# Altium PCB BMS.PcbDoc (part 1 of 3) (continued)
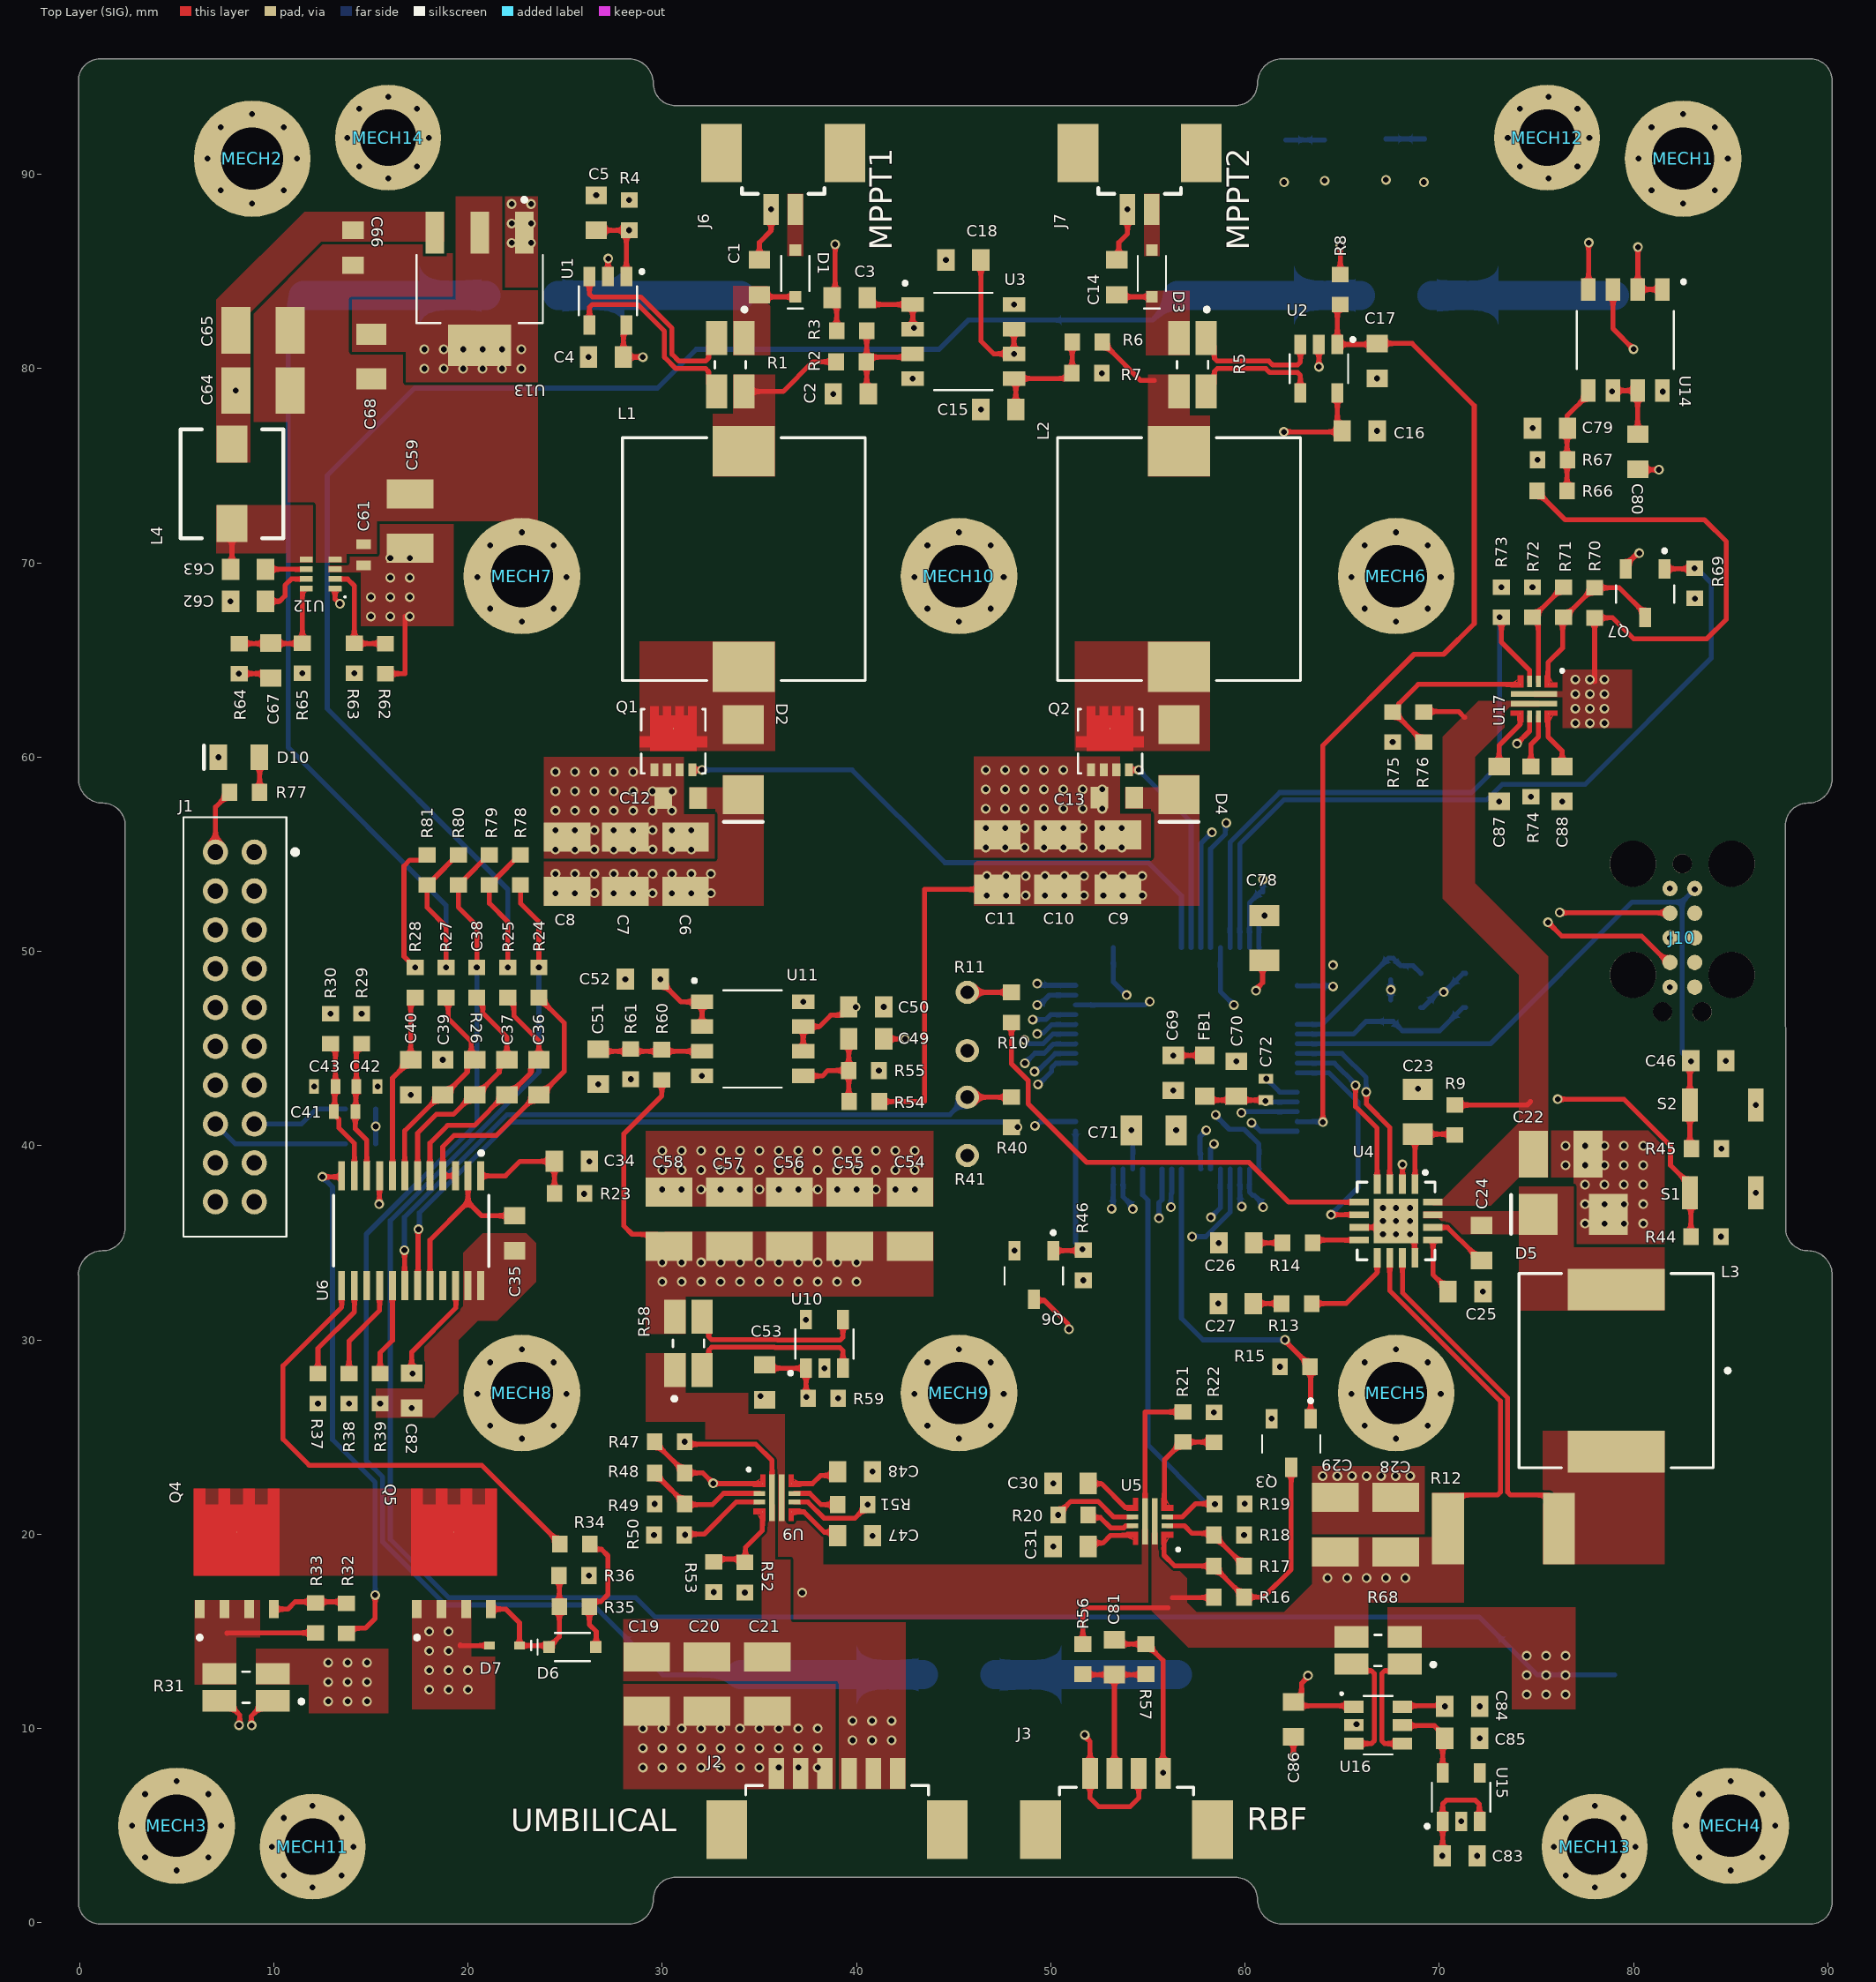
[diagram p0: Top Layer (SIG) view]
## Design rules (kind name [scope] priority, off if disabled: settings)
BoardOutlineClearance [All] p1: gap=0.4 ignorepadtopadclearanceinfootprint=FALSE
Clearance [All] p1: gap=0.15 ignorepadtopadclearanceinfootprint=FALSE except(0.13: Arc-Arc Arc-Track Arc-SMDPad Arc-THPad Arc-Via Arc-Fill Arc-Poly Arc-Region Track-Track Track-SMDPad Track-THPad Track-Via Track-Fill Track-Poly Track-Region; 0.2: Arc-Hole Track-Hole SMDPad-Hole THPad-Hole Via-Hole Fill-Hole Poly-Hole Region-Hole Text-Hole) // Note: 1Oz copper 6 layer only
ComponentClearance ComponentClearance_1 [All vs Not InComponentClass('Top_Level')] p1 off: gap=0 collisioncheckmode=3 verticalgap=0 showdistances=TRUE
ComponentClearance [All] p2 off: gap=0.089 collisioncheckmode=3 verticalgap=0.089 showdistances=TRUE
DiffPairsRouting [All] p1: maxlimit=0.13 minlimit=0.089 mostfreqgap=0.13 toplayer_minwidth=0.089 toplayer_maxwidth=1816.048 toplayer_prefwidth=0.089 midlayer1_minwidth=0.089 midlayer1_maxwidth=1816.048 midlayer1_prefwidth=0.089 midlayer2_minwidth=0.089 midlayer2_maxwidth=1816.048 midlayer2_prefwidth=0.089 midlayer3_minwidth=0.089 midlayer3_maxwidth=1816.048 midlayer3_prefwidth=0.089 midlayer4_minwidth=0.089 midlayer4_maxwidth=1816.048 midlayer4_prefwidth=0.089 bottomlayer_minwidth=0.089 bottomlayer_maxwidth=1816.048 bottomlayer_prefwidth=0.089 maxuncoupledlength=12.7
Height [All] p1: minheight=0 maxheight=1816.048 prefheight=12.7
HoleSize [All] p1: absolutevalues=TRUE maxlimit=6.3 minlimit=0.15 maxpercent=80.000 minpercent=20.000
HoleToHoleClearance "Via to Via Clearance" [IsVia vs IsVia] p1: gap=0.2 allowstackedmicrovias=FALSE
HoleToHoleClearance "Pad to Via Hole Clearance" [IsPad vs IsVia] p2: gap=0.35 allowstackedmicrovias=FALSE
HoleToHoleClearance [All] p3: gap=0.45 allowstackedmicrovias=FALSE
MinimumAnnularRing "Via Annular Ring" [IsVia] p1: minimumring=0.05
MinimumAnnularRing [All] p2: minimumring=0.2
MinimumSolderMaskSliver [All] p1: minsoldermaskwidth=0.1
PlaneClearance [All] p1: clearance=0.089
PlaneConnect PlaneConnectPowerPads [InPadClass('PowerPads')] p1: planeconnectstyle=Direct reliefexpansion=0.508 reliefentries=4 reliefconductorwidth=0.254 reliefairgap=0.254
PlaneConnect [All] p2: planeconnectstyle=Direct reliefexpansion=0.3 reliefentries=4 reliefconductorwidth=0.089 reliefairgap=0.089
PolygonConnect PolygonConnectPowerPads [All vs (InPadClass('PowerPads'))] p1: connectstyle=Direct reliefconductorwidth=0.254 reliefentries=4 polygonreliefangle="90 Angle" airgapwidth=0.254
PolygonConnect [All] p2: connectstyle=Direct reliefconductorwidth=0.089 reliefentries=4 polygonreliefangle="90 Angle" airgapwidth=0.089
RoutingVias [All] p1: holewidth=0.2 width=0.45 viastyle="Through Hole" minholewidth=0.2 minwidth=0.45 maxholewidth=6.3 maxwidth=6.55
SilkToSilkClearance [All] p1: silktosilkclearance=0
SilkToSolderMaskClearance [IsPad] p1: minsilkscreentomaskgap=0.15 clearancetoexposedcopper=TRUE
SolderMaskExpansion [All] p1: expansion=0.075 istentingtop=FALSE
SupplyNets "Schematic Supply Nets_3" [InNet('VBATT+')] p1: voltage=0.000
SupplyNets "Schematic Supply Nets" [InNet('VREF')] p2: voltage=0.000
SupplyNets "Schematic Supply Nets_8" [InNet('+5V')] p3: voltage=0.000
SupplyNets "Schematic Supply Nets_5" [InNet('+3V3')] p4: voltage=0.000
SupplyNets "Schematic Supply Nets_4" [InNet('+3V3A')] p5: voltage=0.000
SupplyNets "Schematic Supply Nets_1" [InNet('BAT-')] p6: voltage=0.000
SupplyNets "Schematic Supply Nets_9" [InNet('SYS')] p7: voltage=0.000
SupplyNets "Schematic Supply Nets_6" [InNet('VUMB')] p8: voltage=0.000
SupplyNets "Schematic Supply Nets_2" [InNet('GND')] p9: voltage=0.000
Width [All] p1: maxlimit=10 minlimit=0.1 preferedwidth=0.25 // Note: 1oz Copper Only
20 further rules are at their usual default settings.

## Classes and differential pairs
component class Charger: C22 C23 C24 C25 C26 C27 C28 C29 C87 C88 D5 L3 Q7 R9 R10 R11 R12 R13 R14 R69 R70 R71 R72 R73 R74 R75 R76 U4 U14 U17
component class Step_Down: C59 C61 C62 C63 C64 C65 C66 C67 C68 L4 R62 R63 R64 R65 U12 U13
component class Umbilical_eFuse: C47 C48 Q6 R46 R47 R48 R49 R50 R51 R52 R53 U9
component class Power_Path: C19 C20 C21 C49 C50 C51 C52 C53 C54 C55 C56 C57 C58 C79 C80 C81 D10 J1 J2 J3 J6 J7 R54 R55 R56 R57 R58 R59 R60 R61 R66 R67 R77 R82 R83 U10 U11
component class Controller: C44 C45 C46 C69 C70 C71 C72 C73 C74 C75 C76 C77 C78 D8 D9 FB1 J10 R42 R43 R44 R45 S1 S2 U8 Y2
component class Battery: B1 C34 C35 C36 C37 C38 C39 C40 C41 C42 C43 C82 C83 C84 C85 C86 D6 D7 F1 F2 F3 Q4 Q5 R23 R24 R25 R26 R27 R28 R29 R30 R31 R32 R33 R34 R35 R36 R37 R38 R39 R40 R41 R68 R78 R79 R80 R81 U6 U15 U16
component class Top_Level: MECH1 MECH2 MECH3 MECH4 MECH5 MECH6 MECH7 MECH8 MECH9 MECH10 MECH11 MECH12 MECH13 MECH14
component class Battery_eFuse: C30 C31 Q3 R15 R16 R17 R18 R19 R20 R21 R22 U5
component class MPPT: C1 C2 C3 C4 C5 C6 C7 C8 C9 C10 C11 C12 C13 C14 C15 C16 C17 C18 D1 D2 D3 D4 L1 L2 Q1 Q2 R1 R2 R3 R4 R5 R6 R7 R8 U1 U2 U3
differential pair SYS_SHUNT: +SYS_SHUNT_P -SYS_SHUNT_N
differential pair BAT_SHUNT: +BAT_SHUNT_P -BAT_SHUNT_N
differential pair VPANEL2: +VPANEL2_P -VPANEL2_N
differential pair VPANEL1: +VPANEL1_P -VPANEL1_N

## Components (designator, comment, footprint, x,y, rotation, side; value= is the part's Value field where it differs from the comment)
B1 "INR18650-35E" "4S Battery Direct Solder" 56.525,85.275 r270 bottom
C1 "C0603C104K5RACTU" CAPC0603X040 35,84.7 r270 top
C2 "C0603C104K5RACTU" CAPC0603X040 39.7,78.7 r0 top
C3 "C0603C104K5RACTU" CAPC0603X040 39.65,83.654 r0 top
C4 "C0603C104K5RACTU" CAPC0603X040 27.1,80.6 r0 top
C5 "C0603C104K5RACTU" CAPC0603X040 26.6,88.025 r270 top
C6 "CL32B226KAJNNNE" CAPC1210X090 31.2,54.5 r270 top
C7 "CL32B226KAJNNNE" CAPC1210X090 28.1,54.5 r270 top
C8 "CL32B226KAJNNNE" CAPC1210X090 25.1,54.5 r270 top
C9 "CL32B226KAJNNNE" CAPC1210X090 53.45,54.6 r270 top
C10 "CL32B226KAJNNNE" CAPC1210X090 50.35,54.6 r270 top
C11 "CL32B226KAJNNNE" CAPC1210X090 47.25,54.6 r270 top
C12 "C0603C104K5RACTU" CAPC0603X040 30.945,57.9 r0 top
C13 "C0603C104K5RACTU" CAPC0603X040 53.4,57.925 r0 top
C14 "C0603C104K5RACTU" CAPC0603X040 53.4,84.7 r270 top
C15 "C0603C104K5RACTU" CAPC0603X040 47.3,77.9 r0 top
C16 "C0603C104K5RACTU" CAPC0603X040 65.9,76.8 r180 top
C17 "C0603C104K5RACTU" CAPC0603X040 66.8,80.4 r90 top
C18 "C0603C104K5RACTU" CAPC0603X040 45.5,85.6 r0 top
C19 "CL32B106KBJNNNE" CAPC1210X090 29.2,12.297 r90 top
C20 "CL32B106KBJNNNE" CAPC1210X090 32.3,12.297 r90 top
C21 "CL32B106KBJNNNE" CAPC1210X090 35.4,12.297 r90 top
C22 "CL32B106KBJNNNE" CAPC1210X090 76.25,39.575 r180 top
C23 "CL21A225KBFNNNE" CAPC0805X060 68.9,41.75 r270 top
C24 "C0603C104K5RACTU" CAPC0603X040 72.175,35 r90 top
C25 "C0603C104K5RACTU" CAPC0603X040 71.35,32.5 r180 top
C26 "CL10B222KB8WPNC" CAPC0603X060 59.55,35 r0 top
C27 "C0603C472K4RECAUTO" CAPC0603X040 59.525,31.875 r0 top
C28 "CL32B106KBJNNNE" CAPC1210X090 67.75,20.5 r270 top
C29 "CL32B106KBJNNNE" CAPC1210X090 64.65,20.5 r270 top
C30 "CL10B103KB8NNNC" CAPC0603X060 51.025,22.626 r0 top
C31 "C0603C472K4RECAUTO" CAPC0603X040 51.025,19.375 r0 top
C34 "CL10A105KB8NNNC" CAPC0603X040 25.35,39.2 r180 top
C35 "CL10A105KB8NNNC" CAPC0603X040 22.4,35.5 r90 top
C36 "CL10A105KB8NNNC" CAPC0603X040 23.65,43.524 r270 top
C37 "CL10A105KB8NNNC" CAPC0603X040 22,43.524 r270 top
C38 "CL10A105KB8NNNC" CAPC0603X040 20.35,43.524 r270 top
C39 "CL10A105KB8NNNC" CAPC0603X040 18.7,43.524 r270 top
C40 "CL10A105KB8NNNC" CAPC0603X040 17.05,43.524 r270 top
C41 "CL05B104KB5NNNC" CAPC0402X020 13.65,41.75 r180 top
C42 "CL05B104KB5NNNC" CAPC0402X020 14.8,43.05 r0 top
C43 "CL05B104KB5NNNC" CAPC0402X020 12.625,43.05 r0 top
C44 "GJM1555C1H140FB01D" CAPC0402X020 67.5,46.95 r270 bottom
C45 "GJM1555C1H140FB01D" CAPC0402X020 67.5,49.1 r90 bottom
C46 "CL10B104KO8NNNC" CAPC0603X040 83.85,44.375 r180 top
C47 "CL10B103KB8NNNC" CAPC0603X060 39.925,19.927 r180 top
C48 "C0603C472K4RECAUTO" CAPC0603X040 39.925,23.227 r180 top
C49 "C0603C104K5RACTU" CAPC0603X040 40.5,45.5 r180 top
C50 "C0603C104K5RACTU" CAPC0603X040 40.5,47.15 r180 top
C51 "C0603C104K5RACTU" CAPC0603X040 26.7,44.074 r90 top
C52 "C0603C104K5RACTU" CAPC0603X040 29,48.575 r0 top
C53 "C0603C104K5RACTU" CAPC0603X040 35.275,27.825 r90 top
C54 "CL32B106KBJNNNE" CAPC1210X090 42.75,36.225 r270 top
C55 "CL32B106KBJNNNE" CAPC1210X090 39.65,36.225 r270 top
C56 "CL32B106KBJNNNE" CAPC1210X090 36.55,36.225 r270 top
C57 "CL32B106KBJNNNE" CAPC1210X090 33.45,36.225 r270 top
C58 "CL32B106KBJNNNE" CAPC1210X090 30.35,36.225 r270 top
C59 "CL32B106KBJNNNE" CAPC1210X090 17.025,72.15 r270 top
C61 "CL05B104KB5NNNC" CAPC0402X020 14.625,70.425 r270 top
C62 "CL10B103KB8NNNC" CAPC0603X060 8.675,68.025 r0 top
C63 "C0603C104K5RACTU" CAPC0603X040 8.675,69.675 r0 top
C64 "CL32B226KAJNNNE" CAPC1210X090 9.45,78.875 r180 top
C65 "CL32B226KAJNNNE" CAPC1210X090 9.45,81.975 r180 top
C66 "C0603C104K5RACTU" CAPC0603X040 14.075,86.225 r90 top
C67 "C0603C104K5RACTU" CAPC0603X040 9.85,64.975 r270 top
C68 "CL21B475KOFNFNE" CAPC0805X060 15.025,80.625 r90 top
C69 "CL10B105KO8NNNC" CAPC0603X040 56.3,43.75 r90 top
C70 "CL10B105KO8NNNC" CAPC0603X040 59.55,43.45 r270 top
C71 "CL21A225KBFNNNE" CAPC0805X060 55.3,40.8 r180 top
C72 "CL05B104KB5NNNC" CAPC0402X020 61.075,42.9 r270 top
C73 "CL05B104KB5NNNC" CAPC0402X020 53.675,36.75 r180 bottom
C74 "CL05B104KB5NNNC" CAPC0402X020 64.525,48.75 r270 bottom
C75 "CL05B104KB5NNNC" CAPC0402X020 60.905,52.507 r270 bottom
C76 "CL05B104KB5NNNC" CAPC0402X020 49.3,47.8 r90 bottom
C77 "CL05B104KB5NNNC" CAPC0402X020 60.375,36.875 r180 bottom
C78 "CL21B475KOFNFNE" CAPC0805X060 61,50.7 r90 top
C79 "C0603C104K5RACTU" CAPC0603X040 75.701,76.938 r0 top
C80 "C0603C104K5RACTU" CAPC0603X040 80.225,75.725 r90 top
C81 "C0603C104K5RACTU" CAPC0603X040 53.275,13.675 r270 top
C82 "CC0603KRX7R9BB104" CAPC0603X040 17.1,27.4 r90 top
C83 "CL10A105KB8NNNC" CAPC0603X040 71.05,3.45 r180 top
C84 "CC0603KRX7R9BB104" CAPC0603X040 71.182,11.144 r0 top
C85 "CL10A105KB8NNNC" CAPC0603X040 71.175,9.5 r180 top
C86 "CC0603KRX7R9BB104" CAPC0603X040 62.491,10.48 r90 top
C87 "CL10B103KB8NNNC" CAPC0603X060 73.076,58.625 r270 top
C88 "C0603C472K4RECAUTO" CAPC0603X040 76.32,58.625 r270 top
D1 "SMD22WS-TP" SOD-323 36.85,84.9 r270 top
D2 "B340LA-13-F" DO-214 34.17,59.87 r90 top
D3 "SMD22WS-TP" SOD-323 55.199,84.9 r270 top
D4 "B340LA-13-F" DO-214 56.6,59.87 r90 top
D5 "B340LA-13-F" DO-214 76.9,36.474 r0 top
D6 "BAV20WS-7-F0" SOD-323 25.375,14.2 r180 top
D7 "BZT52C12T-7" SOD-523 21.875,14.275 r180 top
D8 "LTST-C170EKT" LEDR_0805 69.25,90.775 r90 bottom
D9 "LTST-C170GKT" LEDG_0805 62.1,90.725 r90 bottom
D10 "LTST-C171KRKT" LEDR_0805 8.2,60 r0 top
F1 "SF-1206SA500W-2" SF-1206SA300W-2 22.775,83.775 r0 bottom
F2 "SF-1206SA500W-2" SF-1206SA300W-2 45.275,12.775 r0 bottom
F3 "SF-1206SA500W-2" SF-1206SA300W-2 67.775,83.775 r0 bottom
FB1 "74279220321" 74279220321 57.925,43.6 r90 top
J1 "LS2-110-01-L-D" LS2-110-01-L-D 8,46.118 r270 top
J2 "0532610671" 0532610671 39,5.3 r0 top
J3 "0532610471" 0532610471 53.9,5.3 r0 top
J6 "0532610271" 0532610271 36.225,91.1 r180 top locked
J7 "0532610271" 0532610271 54.575,91.1 r180 top locked
J10 "TC2050-IDC" TC2050-IDC 82.51,50.705 r270 top
L1 "SLF12565T-101M1R6-PF" SLF12565T-101M1R6-PF 34.2,70.2 r90 top
L2 "SLF12565T-101M1R6-PF" SLF12565T-101M1R6-PF 56.6,70.2 r90 top
L3 "1274AS-H-100M=P3" 1274AS-H-100M=P3 79.1,28.425 r270 top
L4 "744316560" 744316560 7.85,74.075 r90 top
MECH1 "M3 Mounting Hole" "M3 Mounting Hole" 82.55,90.81 r0 top
MECH2 "M3 Mounting Hole" "M3 Mounting Hole" 8.89,90.81 r0 top
MECH3 "M3 Mounting Hole" "M3 Mounting Hole" 5,5 r0 top
MECH4 "M3 Mounting Hole" "M3 Mounting Hole" 85,5 r0 top
MECH5 "M3x0.5x8" "M3 x 0.50p x 8mm Bolt" 67.775,27.275 r0 top
MECH6 "M3x0.5x8" "M3 x 0.50p x 8mm Bolt" 67.775,69.325 r0 top
MECH7 "M3x0.5x8" "M3 x 0.50p x 8mm Bolt" 22.775,69.325 r0 top
MECH8 "M3x0.5x8" "M3 x 0.50p x 8mm Bolt" 22.775,27.275 r0 top
MECH9 "M3x0.5x8" "M3 x 0.50p x 8mm Bolt" 45.275,27.275 r0 top
MECH10 "M3x0.5x8" "M3 x 0.50p x 8mm Bolt" 45.275,69.325 r0 top
MECH11 "M2.5 Mounting Hole" "M2.5 Mounting Hole"#1 12,3.92 r0 top
MECH12 "M2.5 Mounting Hole" "M2.5 Mounting Hole"#2 75.625,91.89 r0 top
MECH13 "M2.5 Mounting Hole" "M2.5 Mounting Hole"#1 78,3.92 r0 top
MECH14 "M2.5 Mounting Hole" "M2.5 Mounting Hole"#1 15.89,91.89 r0 top
Q1 "NTTFS5C454NLTAG" NTTFS5C454NLTAG 30.57,60.82 r90 top
Q2 "NTTFS5C454NLTAG" NTTFS5C454NLTAG 53.05,60.82 r90 top
Q3 "T2N7002AK,LM" "SOT23-3 MOSFET" 62.375,24.7 r0 top
Q4 "BSC026N08NS5" PG-TDSON-8-5 8.09,19.015 r90 top
Q5 "BSC026N08NS5" PG-TDSON-8-5 19.275,19.015 r90 top
Q6 "T2N7002AK,LM" "SOT23-3 MOSFET" 49.125,33.35 r0 top
Q7 "T2N7002AK,LM" "SOT23-3 MOSFET" 80.595,68.45 r0 top
R1 "LVK12R050CER" LVK12R050CER-1 33.5,80.2 r270 top
R2 "RMCF0603FT27K0" RESC0603 39.725,80.354 r180 top
R3 "RMCF0603FT10K0" RESC0603 39.75,81.955 r0 top
R4 "RMCF0603FT100K" RESC0603 28.3,87.9 r270 top
R5 "LVK12R050CER" LVK12R050CER-2 57.3,80.2 r270 top
R6 "RMCF0603FT27K0" RESC0603 51.874,81.37 r0 top
R7 "RMCF0603FT10K0" RESC0603 51.849,79.77 r180 top
R8 "RMCF0603FT100K" RESC0603 64.9,84.075 r270 top
R9 "RMCF0603FT10R0" RESC0603 70.8,41.324 r90 top
R10 "RMCF0603FT10K0" RESC0603 47.975,47.126 r270 top
R11 "TT6-10KC8-9-25" TT6-10KC8-9-25 45.7,46.4 r270 top
R12 "WSLT2512R2000FEB" WSLT2512R2000FEB 73.3,20.3 r180 top
R13 "RMCF0603FT750R" RESC0603 62.65,31.875 r180 top
R14 "RMCF0603FT42K2" RESC0603 62.7,35 r0 top
R15 "RMCF0603FT470K" RESC0603 62.568,28.628 r0 top
R16 "RMCF0603FT470K" RESC0603 59.174,16.769 r180 top
R17 "RMCF0603FT11K3" RESC0603 59.174,18.369 r180 top
R18 "RMCF0603FT37K4" RESC0603 59.174,19.969 r180 top
R19 "0603WAF4702T5E" RESC0603 59.2,21.569 r0 top
R20 "RMCF0603FT750R" RESC0603 51.15,21 r0 top
R21 "0603WAF4702T5E" RESC0603 56.799,25.526 r90 top
R22 "RMCF0603FT3K48" RESC0603 58.4,25.501 r270 top
R23 "0603WAF1001T5E" RESC0603 25.225,37.55 r180 top
R24 "0603WAF560JT5E" RESC0603 23.65,48.399 r270 top
R25 "0603WAF560JT5E" RESC0603 22.05,48.399 r270 top
R26 "0603WAF560JT5E" RESC0603 20.45,48.399 r270 top
R27 "0603WAF560JT5E" RESC0603 18.87,48.399 r270 top
R28 "0603WAF560JT5E" RESC0603 17.275,48.399 r270 top
R29 "0603WAF1000T5E" RESC0603 14.525,46.026 r270 top
R30 "0603WAF1000T5E" RESC0603 12.925,46.026 r270 top
R31 "LVK12R010FER" LVK12R050CER-2 8.575,12.125 r180 top
R32 "0603WAF4701T5E" RESC0603 13.737,15.674 r270 top
R33 "0603WAF1004T5E" RESC0603 12.15,15.7 r90 top
R34 "0603WAF1001T5E" RESC0603 25.5,19.5 r180 top
R35 "0603WAF1004T5E" RESC0603 25.475,16.275 r0 top
R36 "0603WAF1004T5E" RESC0603 25.45,17.875 r180 top
R37 "0603WAF4703T5E" RESC0603 12.275,27.5 r90 top
R38 "RMCF0603FT10K0" RESC0603 13.875,27.5 r90 top
R39 "0603WAF6043T5E" RESC0603 15.475,27.5 r90 top
R40 "RMCF0603FT10K0" RESC0603 47.975,41.725 r270 top
R41 "TT6-10KC8-9-25" TT6-10KC8-9-25 45.7,41 r270 top
R42 "RMCF0805FT120R" RESC0805 67.25,90.775 r270 bottom
R43 "RMCF0805FT120R" RESC0805 64.1,90.725 r270 bottom
R44 "RMCF0603FT100K" RESC0603 83.725,35.325 r180 top
R45 "RMCF0603FT100K" RESC0603 83.75,39.85 r0 top
R46 "RMCF0603FT470K" RESC0603 51.675,33.85 r90 top
R47 "RMCF0603FT470K" RESC0603 30.374,24.765 r0 top
R48 "RMCF0603FT6K19" RESC0603 30.375,23.159 r0 top
R49 "RMCF0603FT28K0" RESC0603 30.374,21.565 r0 top
R50 "0603WAF4702T5E" RESC0603 30.349,19.965 r180 top
R51 "RMCF0603FT1K2" RESC0603 39.8,21.527 r180 top
R52 "0603WAF4702T5E" RESC0603 34.25,17.775 r270 top
R53 "RMCF0603FT3K48" RESC0603 32.65,17.8 r90 top
R54 "RMCF0603FT59K0" RESC0603 40.4,42.275 r0 top
R55 "RMCF0603FT10K0" RESC0603 40.375,43.875 r180 top
R56 "RMCF0603FT470K" RESC0603 51.65,13.575 r90 top
R57 "RMCF0603FT100K" RESC0603 54.9,13.575 r270 top
R58 "LVK12R050CER" LVK12R050CER-1 31.35,29.825 r90 top
R59 "RMCF0603FT100K" RESC0603 38.275,27 r180 top
R60 "RMCF0603FT59K0" RESC0603 29.975,44.174 r270 top
R61 "RMCF0603FT10K0" RESC0603 28.375,44.199 r90 top
R62 "RMCF0603FT71K5" RESC0603 15.75,65.075 r270 top
R63 "RMCF0603FT10K0" RESC0603 14.15,65.1 r90 top
R64 "RMCF0603FT52K3" RESC0603 8.225,65.075 r270 top
R65 "RMCF0603FT10K0" RESC0603 11.475,65.1 r90 top
R66 "RMCF0603FT59K0" RESC0603 75.801,73.713 r180 top
R67 "RMCF0603FT10K0" RESC0603 75.826,75.313 r0 top
R68 "LVK12R050CER" LVK12R050CER-2 66.844,14.025 r180 top
R69 "RMCF0603FT470K" RESC0603 83.145,68.95 r90 top
R70 "RMCF0603FT470K" RESC0603 77.995,67.95 r270 top
R71 "RMCF0603FT6K19" RESC0603 76.395,67.975 r270 top
R72 "RMCF0603FT28K0" RESC0603 74.795,67.975 r270 top
R73 "0603WAF4702T5E" RESC0603 73.195,67.975 r90 top
R74 "RMCF0603FT1K2" RESC0603 74.72,58.75 r90 top
R75 "RMCF0603FT3K48" RESC0603 67.6,61.55 r90 top
R76 "0603WAF4702T5E" RESC0603 69.2,61.55 r90 top
R77 "0603WAF2201T5E" RESC0603 8.5,58.2 r180 top
R78 "RMCF0603FT10K0" RESC0603 22.7,54.2 r270 top
R79 "RMCF0603FT10K0" RESC0603 21.1,54.2 r270 top
R80 "RMCF0603FT10K0" RESC0603 19.5,54.2 r270 top
R81 "RMCF0603FT10K0" RESC0603 17.9,54.2 r270 top
R82 "RMCF0603FT4K7" RESC0603 14.474,41.9 r0 bottom
R83 "RMCF0603FT4K7" RESC0603 14.471,40.093 r0 bottom
S1 "B3U-1000P" B3U-1000P 84.6,37.575 r180 top
S2 "B3U-1000P" B3U-1000P 84.6,42.1 r0 top
U1 "INA139NA/250" "SOT23-5 IC" 27.2,83.5 r180 top
U2 "INA139NA/250" "SOT23-5 IC" 63.8,80 r180 top
U3 "MCP6007T-E/SN" SOIC-8 45.5,81.4 r270 top
U4 "MP26124GR-Z" qfn-16 67.775,36.125 r270 top
U5 "TPS259474LRPWR" VFQFN-10 55.1,20.669 r180 top
U6 "BQ7791500PWR" TSSOP-24 17.075,35.625 r270 top
U8 "STM32F446RET7" LQFP-64 56.975,44.5 r180 bottom locked
U9 "TPS259474LRPWR" VFQFN-10 35.9,21.884 r0 top
U10 "INA139NA/250" "SOT23-5 IC" 38.35,29.8 r0 top
U11 "MCP6007T-E/SN" SOIC-8 34.65,45.5 r270 top
U12 "TPS62933DRLR" SOT-583 12.415,69.425 r180 top
U13 "TLV1117-33IDCY" TLV1117-33IDCY 20.6,84.1 r270 top
U14 "MCP6007T-E/SN" SOIC-8 79.575,81.475 r180 top
U15 "ADPL40502AUJZ-1.5-R7" "SOT23-5 IC" 71.125,6.475 r0 top
U16 "INA181A3IDBVR" "SOT23-6 IC" 66.844,10.177 r270 top
U17 "TPS259474LRPWR" VFQFN-10 74.875,63 r270 top
Y2 "830069882" 830069882 70.2,48 r180 bottom

## Footprints (in the part's own frame and the unit in brackets; to place one, negate y for a bottom-side part, rotate by r counter-clockwise, add the part's x,y. Pads: shape width x height; smd on the part's side, far side on the other; paste and mask are expansions set on the pad)
"4S Battery Direct Solder" [mm] "Custom 4S Battery Footprint"
  rrect30% 4x12 smd mask+0.075: 1(1.5,-22.5) 2(72.5,-22.5) 3(72.5,0) 4(1.5,0) 5(1.5,22.5) 6(72.5,22.5) 7(72.5,45) 8(1.5,45)
  rrect10% 17x9.5 / inner round 6 / far side round 6 hole 3.2 mask+0.075: CASE(15.95,-11.25) CASE(15.95,11.25) CASE(15.95,33.75) CASE(58,-11.25) CASE(58,11.25) CASE(58,33.75)
  body extent 4.5,-32.51 69.5,55.01, height 22.28
1274AS-H-100M=P3 [mm] "Murata 3939 Inductor"
  rect 2.15x5 smd mask+0.05: 1(-4.175,0) 2(4.175,0)
  silkscreen extent -5,-5 5,5.85, body extent -5,-5 5,5, height 5
0532610271 [mm] "Molex Picoblade 2pin"
  rect 0.8x1.6 smd mask+0.075: 1(-0.625,2.9) 2(0.625,2.9)
  rect 2.1x3 smd mask+0.075: S1(-3.175,0) S2(3.175,0)
  silkscreen extent -2.12,1.8 2.12,2.1, body extent -3.83,-2.1 3.83,3.1, height 3.2
0532610471 [mm] "Molex Picoblade 4pin"
  rect 0.8x1.6 smd mask+0.05: 1(-1.875,2.4) 2(-0.625,2.4) 3(0.625,2.4) 4(1.875,2.4)
  rect 2.1x3 smd mask+0.05: S1(-4.425,-0.5) S2(4.425,-0.5)
  silkscreen extent -3.45,1.3 3.45,1.68, body extent -5.07,-2.6 5.07,2.6, height 3.4
0532610671 [mm] "Molex Picoblade 6pin"
  rect 0.8x1.6 smd mask+0.05: 1(-3.125,2.4) 2(-1.875,2.4) 3(-0.625,2.4) 4(0.625,2.4) 5(1.875,2.4) 6(3.125,2.4)
  rect 2.1x3 smd mask+0.05: S1(-5.675,-0.5) S2(5.675,-0.5)
  silkscreen extent -4.7,1.3 4.7,1.78, body extent -6.32,-2.5 6.32,2.7, height 3.2
744316560 [mm] "5040 Wurth Inductor"
  rect 1.9x1.6 smd mask+0.05: 1(-2.05,0) 2(2.05,0)
  silkscreen extent -2.8,-2.65 2.8,2.65, body extent -2.8,-2.65 2.8,2.65, height 3.95
830069882 [mm] "Crystals WE-XTAL 12.0MHz 100ppm 3.2 x 2.5mm"
  rect 1.3x1.05 smd: 1(-1.15,-0.875) 2(1.15,-0.875) 3(1.15,0.875) 4(-1.15,0.875)
  silkscreen extent -2.56,-1.35 1.7,1.35, body extent -1.7,-1.35 1.7,1.35, height 0.65
74279220321 [mm] "Ferrite Bead 0805"
  rect 0.9x1 smd paste+0 mask+0.075: 1(1.05,0) 2(-1.05,0)
  body extent -1,-0.45 1,0.45, height 1.2
B3U-1000P [mm] "Push Button"
  rect 0.8x1.7 smd mask+0.075: 1(-1.7,0) 2(1.7,0)
  body extent -2,-1.25 2,1.25, height 1.6
CAPC0402X020 [mm] "Chip Capacitor, 2-Leads, Body 1.00x0.50mm, IPC Medium Density"
  rect 0.5x0.75 smd mask+0.075: 1(-0.55,0) 2(0.55,0)
  body extent -0.5,-0.25 0.5,0.25, height 0.2
CAPC0603X040 [mm] "Chip Capacitor, 2-Leads, Body 1.60x0.80mm, IPC Medium Density"
  rect 0.9x1.1 smd mask+0.075: 1(-0.9,0) 2(0.9,0)
  body extent -0.8,-0.4 0.8,0.4, height 0.4
CAPC0603X060 [mm] "Chip Capacitor, 2-Leads, Body 1.60x0.80mm, IPC Medium Density"
  rect 0.9x1.1 smd mask+0.075: 1(-0.9,0) 2(0.9,0)
  body extent -0.8,-0.4 0.8,0.4, height 0.6
CAPC0805X060 [mm] "Chip Capacitor, 2-Leads, Body 1.00x0.50mm, IPC Medium Density"
  rect 1.1x1.55 smd mask+0.075: 1(-1.15,0) 2(1.15,0)
  body extent -1,-0.63 1,0.63, height 0.6
CAPC1210X090 [mm] "1210 Ceramic Capacitor"
  rect 1.5x2.4 smd mask+0.075: 1(-1.4,0) 2(1.4,0)
  body extent -1.6,-1.25 1.6,1.25, height 0.9
DO-214 [mm] "Diodes Incorporated standard DO-214 footprint"
  rect 2x2.1 smd mask+0.075: A(1.8,0) K(-1.8,0)
  silkscreen extent -3.2,-1 -3.2,1, body extent -2.6,-1.3 2.6,1.3, height 2.4
LEDG_0805 [mm] "Generic Green LED 0805"
  rect 0.9x1.3 smd: A(1.05,0) K(-1.05,0)
  silkscreen extent -1.8,-0.6 -1.8,0.6, body extent -1,-0.63 1,0.63, height 0.8
LEDR_0805 [mm] "Generic Red LED 0805"
  rect 0.9x1.3 smd: A(1.05,0) K(-1.05,0)
  silkscreen extent -1.8,-0.6 -1.8,0.6, body extent -1,-0.63 1,0.63, height 0.8
LQFP-64 [mm] "LQFP-64"
  rrect50% 1.6x0.28 smd mask+0.05: 1(-5.7,3.75) 2(-5.7,3.25) 3(-5.7,2.75) 4(-5.7,2.25) 5(-5.7,1.75) 6(-5.7,1.25) 7(-5.7,0.75) 8(-5.7,0.25) 9(-5.7,-0.25) 10(-5.7,-0.75) 11(-5.7,-1.25) 12(-5.7,-1.75) 13(-5.7,-2.25) 14(-5.7,-2.75) 15(-5.7,-3.25) 16(-5.7,-3.75) 33(5.7,-3.75) 34(5.7,-3.25) 35(5.7,-2.75) 36(5.7,-2.25) 37(5.7,-1.75) 38(5.7,-1.25) 39(5.7,-0.75) 40(5.7,-0.25) 41(5.7,0.25) 42(5.7,0.75) 43(5.7,1.25) 44(5.7,1.75) 45(5.7,2.25) 46(5.7,2.75) 47(5.7,3.25) 48(5.7,3.75)
  rrect50% 0.28x1.6 smd mask+0.05: 17(-3.75,-5.7) 18(-3.25,-5.7) 19(-2.75,-5.7) 20(-2.25,-5.7) 21(-1.75,-5.7) 22(-1.25,-5.7) 23(-0.75,-5.7) 24(-0.25,-5.7) 25(0.25,-5.7) 26(0.75,-5.7) 27(1.25,-5.7) 28(1.75,-5.7) 29(2.25,-5.7) 30(2.75,-5.7) 31(3.25,-5.7) 32(3.75,-5.7) 49(3.75,5.7) 50(3.25,5.7) 51(2.75,5.7) 52(2.25,5.7) 53(1.75,5.7) 54(1.25,5.7) 55(0.75,5.7) 56(0.25,5.7) 57(-0.25,5.7) 58(-0.75,5.7) 59(-1.25,5.7) 60(-1.75,5.7) 61(-2.25,5.7) 62(-2.75,5.7) 63(-3.25,5.7) 64(-3.75,5.7)
  silkscreen extent -5.8,-5.1 5.1,5.1, body extent -6.07,-6.07 6.07,6.07, height 1.6
LS2-110-01-L-D [mm] "LS2-110-01-L-D"
  round 1.3 hole 0.8 mask+0.05: 1(-9,1) 2(-9,-1) 3(-7,1) 4(-7,-1) 5(-5,1) 6(-5,-1) 7(-3,1) 8(-3,-1) 9(-1,1) 10(-1,-1) 11(1,1) 12(1,-1) 13(3,1) 14(3,-1) 15(5,1) 16(5,-1) 17(7,1) 18(7,-1) 19(9,1) 20(9,-1)
  silkscreen extent -10.8,-2.65 10.8,3.2, body extent -10.78,-2.64 10.78,2.64, height 6.35
LVK12R050CER-1 [mm] "1206 Current Sense"
  rect 1.75x1.1 smd mask+0.075: 1(-1.375,0.7) 2(-1.375,-0.7) 3(1.375,-0.7) 4(1.375,0.7)
  silkscreen extent -2.94,-0.8 0.18,0.83, body extent -1.6,-0.8 1.6,0.8, height 0.55
LVK12R050CER-2 [mm] "1206 Current Sense"
  rect 1.75x1.1 smd mask+0.075: 1(-1.375,-0.7) 2(-1.375,0.7) 3(1.375,0.7) 4(1.375,-0.7)
  silkscreen extent -2.94,-0.8 0.18,0.83, body extent -1.6,-0.8 1.6,0.8, height 0.55
"M2.5 Mounting Hole"#1 [mm] "M2.5 Mounting Hole"
  round 5.45 hole 2.9 mask+0.075: 1(0,0)
"M2.5 Mounting Hole"#2 [mm] "M2.5 Mounting Hole"
  round 5.45 hole 2.9 mask+0.075: 1(-0.075,0)
"M3 Mounting Hole" [mm] "M3 Mounting Hole"
  round 6 hole 3.2 mask+0.075: 1(0,0)
"M3 x 0.50p x 8mm Bolt" [mm] "M3 x 0.50p x 8mm Bolt"
  body extent -2.75,-2.75 2.75,2.75, height 2.8
NTTFS5C454NLTAG [mm] "8-WDFN (3.3x3.3)"
  round 0.025 smd paste-2539.97 mask+0.05: D(0.65,0)
  rect 0.66x0.42 smd mask+0.05: G(-1.47,-0.975) S(-1.47,-0.325) S(-1.47,0.325) S(-1.47,0.975)
  Top Layer (SIG) region: 0.25,1.185 1.8,1.185 1.8,0.765 1.33,0.765 1.33,0.535 1.8,0.535 1.8,0.115 1.33,0.115 1.33,-0.115 1.8,-0.115 1.8,-0.535 1.33,-0.535 1.33,-0.765 1.8,-0.765 1.8,-1.185 0.25,-1.185 0.25,-1.73 -0.32,-1.73 -0.32,-1.185 -0.5,-1.185 -0.5,1.185 -0.32,1.185 -0.32,1.73 0.25,1.73
  silkscreen extent -1.65,-1.65 1.65,1.65, body extent -1.65,-1.65 1.65,1.65, height 0.8
PG-TDSON-8-5 [mm] "PG-TDSON-8-5 MOSFET Pacakge"
  round 0.025 smd: D(1.097,0)
  rect 0.925x0.5 smd paste-0.05: G(-2.865,-1.905) S(-2.865,-0.635) S(-2.865,0.635) S(-2.865,1.905)
  Top Layer (SIG) region: 3.325,1.605 2.525,1.605 2.525,0.935 3.325,0.935 3.325,0.335 2.525,0.335 2.525,-0.335 3.325,-0.335 3.325,-0.935 2.525,-0.935 2.525,-1.605 3.325,-1.605 3.325,-2.205 -1.13,-2.205 -1.13,2.205 3.325,2.205
  silkscreen extent -4.43,1.81 -4.23,2, body extent -3.08,-2.58 3.08,2.58, height 1.1
qfn-16 [mm] "QFN-16"
  rect 1x0.35 smd mask+0.05: 1(-1.9,0.975) 2(-1.9,0.325) 3(-1.9,-0.325) 4(-1.9,-0.975) 9(1.9,-0.975) 10(1.9,-0.325) 11(1.9,0.325) 12(1.9,0.975)
  rect 0.35x1 smd mask+0.05: 5(-0.975,-1.9) 6(-0.325,-1.9) 7(0.325,-1.9) 8(0.975,-1.9) 13(0.975,1.9) 14(0.325,1.9) 15(-0.325,1.9) 16(-0.975,1.9)
  rect 2.3x2.3 smd mask+0.05: 17(0,0)
  silkscreen extent -2.55,-2 2,2, body extent -2,-2 2,2, height 0.92
RESC0603 [mm] "Chip Resistor, 2-Leads, Body 1.60x0.80mm, IPC Medium Density"
  rect 0.8x0.875 smd mask+0.1: 1(-0.774,0) 2(0.774,0)
  body extent -0.77,-0.43 0.77,0.43, height 0.45
RESC0805 [mm] "Chip Resistor, 2-Leads, Body 1.00x0.50mm, IPC Medium Density"
  rect 0.9x1.3 smd: 1(-1.05,0) 2(1.05,0)
  body extent -1,-0.63 1,0.63, height 0.45
SF-1206SA300W-2 [mm] "1206 Fuse"
  rect 1.1x1.7 smd mask+0.075: 1(-1.55,0) 2(1.55,0)
  body extent -1.6,-0.8 1.6,0.8, height 1.08
SLF12565T-101M1R6-PF [mm] "Shielded Inductor Non-Standard"
  rect 2.6x3.2 smd mask+0.075: 1(-5.55,0) 2(5.55,0)
  silkscreen extent -6.25,-6.25 6.25,6.25, body extent -6.25,-6.25 6.25,6.25, height 6.85
SOD-323 [mm] "SOD-323 small outline"
  rect 0.6x0.6 smd mask+0.05: A(-1.2,0.001) K(1.2,0)
  silkscreen extent -0.9,-0.72 1.8,0.72, body extent -1.35,-0.72 1.35,0.72, height 1.17
SOD-523 [mm] "SOD-523"
  rect 0.55x0.4 smd mask+0.05: A(0.775,0) K(-0.775,0)
  silkscreen extent -1.38,-0.25 -1.38,0.25, body extent -0.8,-0.4 0.8,0.4, height 0.65
SOIC-8 [mm] "SOIC-8 Analog Devices Spec"
  rect 0.75x1.15 smd mask+0.05: 1(-1.905,-2.605) 2(-0.635,-2.605) 3(0.635,-2.605) 4(1.905,-2.605) 5(1.905,2.605) 6(0.635,2.605) 7(-0.635,2.605) 8(-1.905,2.605)
  silkscreen extent -3.05,-3.05 2.5,1.5, body extent -2.45,-2.95 2.45,2.95, height 1.5
"SOT23-3 MOSFET" [mm] "Diodes Incorporated SOT-23 land pattern with MOSFET pin designators"
  rect 0.62x1 smd: D(0,-1.25) G(1,1.25) S(-1,1.25)
  silkscreen extent -1.5,-0.5 1.5,2.22, body extent -1.5,-1.42 1.5,1.42, height 1.2
"SOT23-5 IC" [mm] "SOT23-5"
  rect 0.62x1 smd mask+0.075: 1(-0.95,-1.25) 2(0,-1.25) 3(0.95,-1.25) 4(0.95,1.25) 5(-0.95,1.25)
  silkscreen extent -1.8,-1.55 1.5,0.75, body extent -1.5,-1.25 1.5,1.25, height 1.1
"SOT23-6 IC" [mm] "SOT23-6"
  rect 0.62x1 smd mask+0.075: 1(-0.95,-1.25) 2(0,-1.25) 3(0.95,-1.25) 4(0.95,1.25) 5(0,1.25) 6(-0.95,1.25)
  silkscreen extent -1.67,-1.92 1.5,0.75, body extent -1.45,-1.4 1.45,1.4, height 1.2
SOT-583 [mm] "Texas Instruments SOT-583"
  rrect10% 0.67x0.3 smd mask+0.05: 1(-0.74,0.75) 2(-0.74,0.25) 3(-0.74,-0.25) 4(-0.74,-0.75) 5(0.74,-0.75) 6(0.74,-0.25) 7(0.74,0.25) 8(0.74,0.75)
  silkscreen extent -1.29,1.14 -1.21,1.21, body extent -0.8,-1.05 0.8,1.05, height 0.6
TC2050-IDC [mil] "JTAG POGO ADAPTER"
  round 31 smd paste-39.37 mask+1.97: 1(-100,-25) 2(-50,-25) 3(0,-25) 4(50,-25) 5(100,-25) 6(100,25) 7(50,25) 8(0,25) 9(-50,25) 10(-100,25)
  round 93.5 hole 93.5 unplated mask+1.97: ""(-150,100) ""(-150,-100) ""(75,100) ""(75,-100)
  round 39 hole 39 unplated mask+1.97: ""(-150,0) ""(150,-39.96) ""(150,39.96)
TLV1117-33IDCY [mm] "4-SOT-223"
  rect 2.15x0.95 smd: 1(-2.9,2.3) 2(-2.9,0) 3(-2.9,-2.3)
  rect 2.15x3.25 smd: 4(2.9,0)
  silkscreen extent -4.7,-3.25 1.75,3.25, body extent -3.5,-3.25 3.5,3.25, height 1.8
TSSOP-24 [mm] "TSSOP-24"
  rect 1.5x0.35 smd mask+0.075: 1(-2.825,3.581) 2(-2.825,2.921) 3(-2.825,2.286) 4(-2.825,1.626) 5(-2.825,0.965) 6(-2.825,0.33) 7(-2.825,-0.33) 8(-2.825,-0.965) 9(-2.825,-1.626) 10(-2.825,-2.286) 11(-2.825,-2.921) 12(-2.825,-3.581) 13(2.825,-3.581) 14(2.825,-2.921) 15(2.825,-2.286) 16(2.825,-1.626) 17(2.825,-0.965) 18(2.825,-0.33) 19(2.825,0.33) 20(2.825,0.965) 21(2.825,1.626) 22(2.825,2.286) 23(2.825,2.921) 24(2.825,3.581)
  silkscreen extent -4.1,-4 1.83,4, body extent -3.2,-3.9 3.2,3.9, height 1.2
TT6-10KC8-9-25 [mm] "TT6-10KC8-9-25"
  round 1.2 hole 0.7 mask+0.075: 1(1.5,0) 2(-1.5,0)
VFQFN-10 [mm] "TI VFQFN-10"
  round 0.025 smd paste+0 mask+0.045: 1(-0.75,0.725) 4(-0.75,-0.725) 7(0.75,-0.725) 10(0.75,0.725)
  rrect10% 0.6x0.25 smd paste+0 mask+0.045: 2(-0.9,0.225) 3(-0.9,-0.225) 8(0.9,-0.225) 9(0.9,0.225)
  rrect10% 0.3x2.4 smd paste+0 mask+0.045: 5(-0.25,0) 6(0.25,0)
  Top Layer (SIG) region: 0.85,-1.2 0.85,-0.85 1.2,-0.85 1.2,-0.55 0.6,-0.55 0.6,-1.2
  Top Layer (SIG) region: -0.85,-1.2 -0.85,-0.85 -1.2,-0.85 -1.2,-0.55 -0.6,-0.55 -0.6,-1.2
  Top Layer (SIG) region: 0.85,1.2 0.85,0.85 1.2,0.85 1.2,0.55 0.6,0.55 0.6,1.2
  Top Layer (SIG) region: -0.85,1.2 -0.85,0.85 -1.2,0.85 -1.2,0.55 -0.6,0.55 -0.6,1.2
  silkscreen extent -1.48,1.43 -1.43,1.47, body extent -1,-1 1,1, height 1
WSLT2512R2000FEB [mm] "RESC2512"
  rect 1.65x3.68 smd mask+0.075: 1(-2.855,0) 2(2.855,0)
  body extent -3.18,-1.59 3.18,1.59, height 0.64

## Part data
B1: library part "4S Battery Split", "Custom 4S battery component for Cubesat EPS", Distributor Part Number=N/A, Part Number=N/A
C1 C2 C3 C4 C5 C12 C13 C14 C15 C16 C17 C18 C24 C25 C49 C50 C51 C52 C53 C63 C66 C79 C80 C81: "0.1 µF ±10% 50V Ceramic Capacitor X7R 0603 (1608 Metric)", Capacitance=100nF, Case Code=0603, Distributor Part Number=399-C0603C104K5RACTUCT-ND, Tolerance=10%, Voltage Rating=50V, Distributor=Digikey
  C1 C2 C3 C4 C5 C12 C13 C14 C15 C16 C17 C18 C24 C25 C49 C50 C51 C52 C53 C66 C79 C80 C81: Part Number=C0603C104K5RACTU
  C63: Manufacturer Part Number=C0603C104K5RACTU
C6 C7 C8 C9 C10 C11 C64 C65: "22 µF ±10% 25V Ceramic Capacitor X7R 1210 (3225 Metric)", Capacitance=22uF, Case Code=1210, Distributor Part Number=1276-3392-1-ND, Tolerance=10%, Voltage Rating=25V, Distributor=Digikey, Part Number=CL32B226KAJNNNE
C19 C20 C21 C22 C28 C29 C54 C55 C56 C57 C58 C59: "10 µF ±10% 50V Ceramic Capacitor X7R 1210 (3225 Metric)", Capacitance=10uF, Case Code=1210, Distributor Part Number=1276-3387-1-ND, Tolerance=10%, Voltage Rating=50V, Distributor=Digikey, Manufacturer Part Number=CL32B106KBJNNNE
C23 C71: "2.2uF ±10% 25V Ceramic Capacitor X7R 0805 (2012 Metric)", Capacitance=2.2uF, Case Code=0805, Distributor Part Number=1276-6702-1-ND, Tolerance=10%, Voltage Rating=25V, Distributor=Digikey, Part Number=CL21A225KBFNNNE
C26: "2.2nF ±10% 50V Ceramic Capacitor X7R 0603 (1608 Metric)", Capacitance=2.2nF, Case Code=0805, Distributor Part Number=1276-6530-1-ND, Tolerance=10%, Voltage Rating=50V, Distributor=Digikey, Part Number=CL10B222KB8WPNC
C27 C31 C48 C88: "4.7nF ±10% 16V Ceramic Capacitor X7R 0603 (1608 Metric)", Capacitance=4.7nF, Case Code=0603, Dielectric=X7R, Distributor Part Number=399-17879-1-ND, Tolerance=10%, Voltage Rating=16V, Distributor=Digikey, Part Number=C0603C472K4RECAUTO
C30 C47 C62 C87: "10nF ±10% 50V Ceramic Capacitor X7R 0603 (1608 Metric)", Capacitance=10nF, Case Code=0603, Distributor Part Number=1276-1009-1-ND, Tolerance=10%, Voltage Rating=50V, Distributor=Digikey, Part Number=CL10B103KB8NNNC
C34 C35 C36 C37 C38 C39 C40 C83 C85: "1uF 50V X5R ±10% 0603 Multilayer Ceramic Capacitors MLCC - SMD/SMT ROHS", Capacitance=1uF, Case Code=0603, Dielectric=X5R, Distributor Part Number=C15849, Tolerance=10%, Voltage Rating=50V, Distributor=JLCPCB, Part Number=CL10A105KB8NNNC
C41 C42 C43 C61 C72 C73 C74 C75 C76 C77: "0.1 µF ±10% 50V Ceramic Capacitor X7R 0402 (1005 Metric)", Capacitance=0.1uF, Case Code=0402, Distributor Part Number=1276-CL05B104KB5NNNCCT-ND, Tolerance=10%, Voltage Rating=50V, Distributor=Digikey, Part Number=CL05B104KB5NNNC
C44 C45: library part CAPC0402, "14 pF ±1% 50V Ceramic Capacitor C0G, NP0 0402 (1005 Metric)", Capacitance=14pF, Case Code=0402, Distributor Part Number=2266-GJM1555C1H140FB01DTR-ND, Tolerance=1%, Voltage Rating=50V, Distributor=Digikey, Part Number=GJM1555C1H140FB01D
C46: library part CAPC0603, "0.1 µF ±10% 16V Ceramic Capacitor X7R 0603 (1608 Metric)", Capacitance=100nF, Case Code=0603, Distributor Part Number=1276-1005-1-ND, Tolerance=10%, Voltage Rating=16V, Distributor=Digikey, Manufacturer Part Number=CL10B104KO8NNNC
C67: library part C0603C100J5GACTU, "10 pF ±5% 50V Ceramic Capacitor C0G, NP0 0603 (1608 Metric)", Capacitance=10pF, Case Code=0603, Distributor Part Number=399-C0603C100J5GACTUCT-ND, Tolerance=10%, Voltage Rating=50V, Distributor=Digikey, Part Number=C0603C100J5GACTU
C68 C78: "4.7 µF ±10% 16V Ceramic Capacitor X7R 0805 (2012 Metric)", Capacitance=4.7uF, Case Code=0805, Distributor Part Number=1276-2970-1-ND, Tolerance=10%, Voltage Rating=16V, Distributor=Digikey, Part Number=CL21B475KOFNFNE